# KiCad board MPPT Li-Ion CN3791 charger board_panel.kicad_pcb
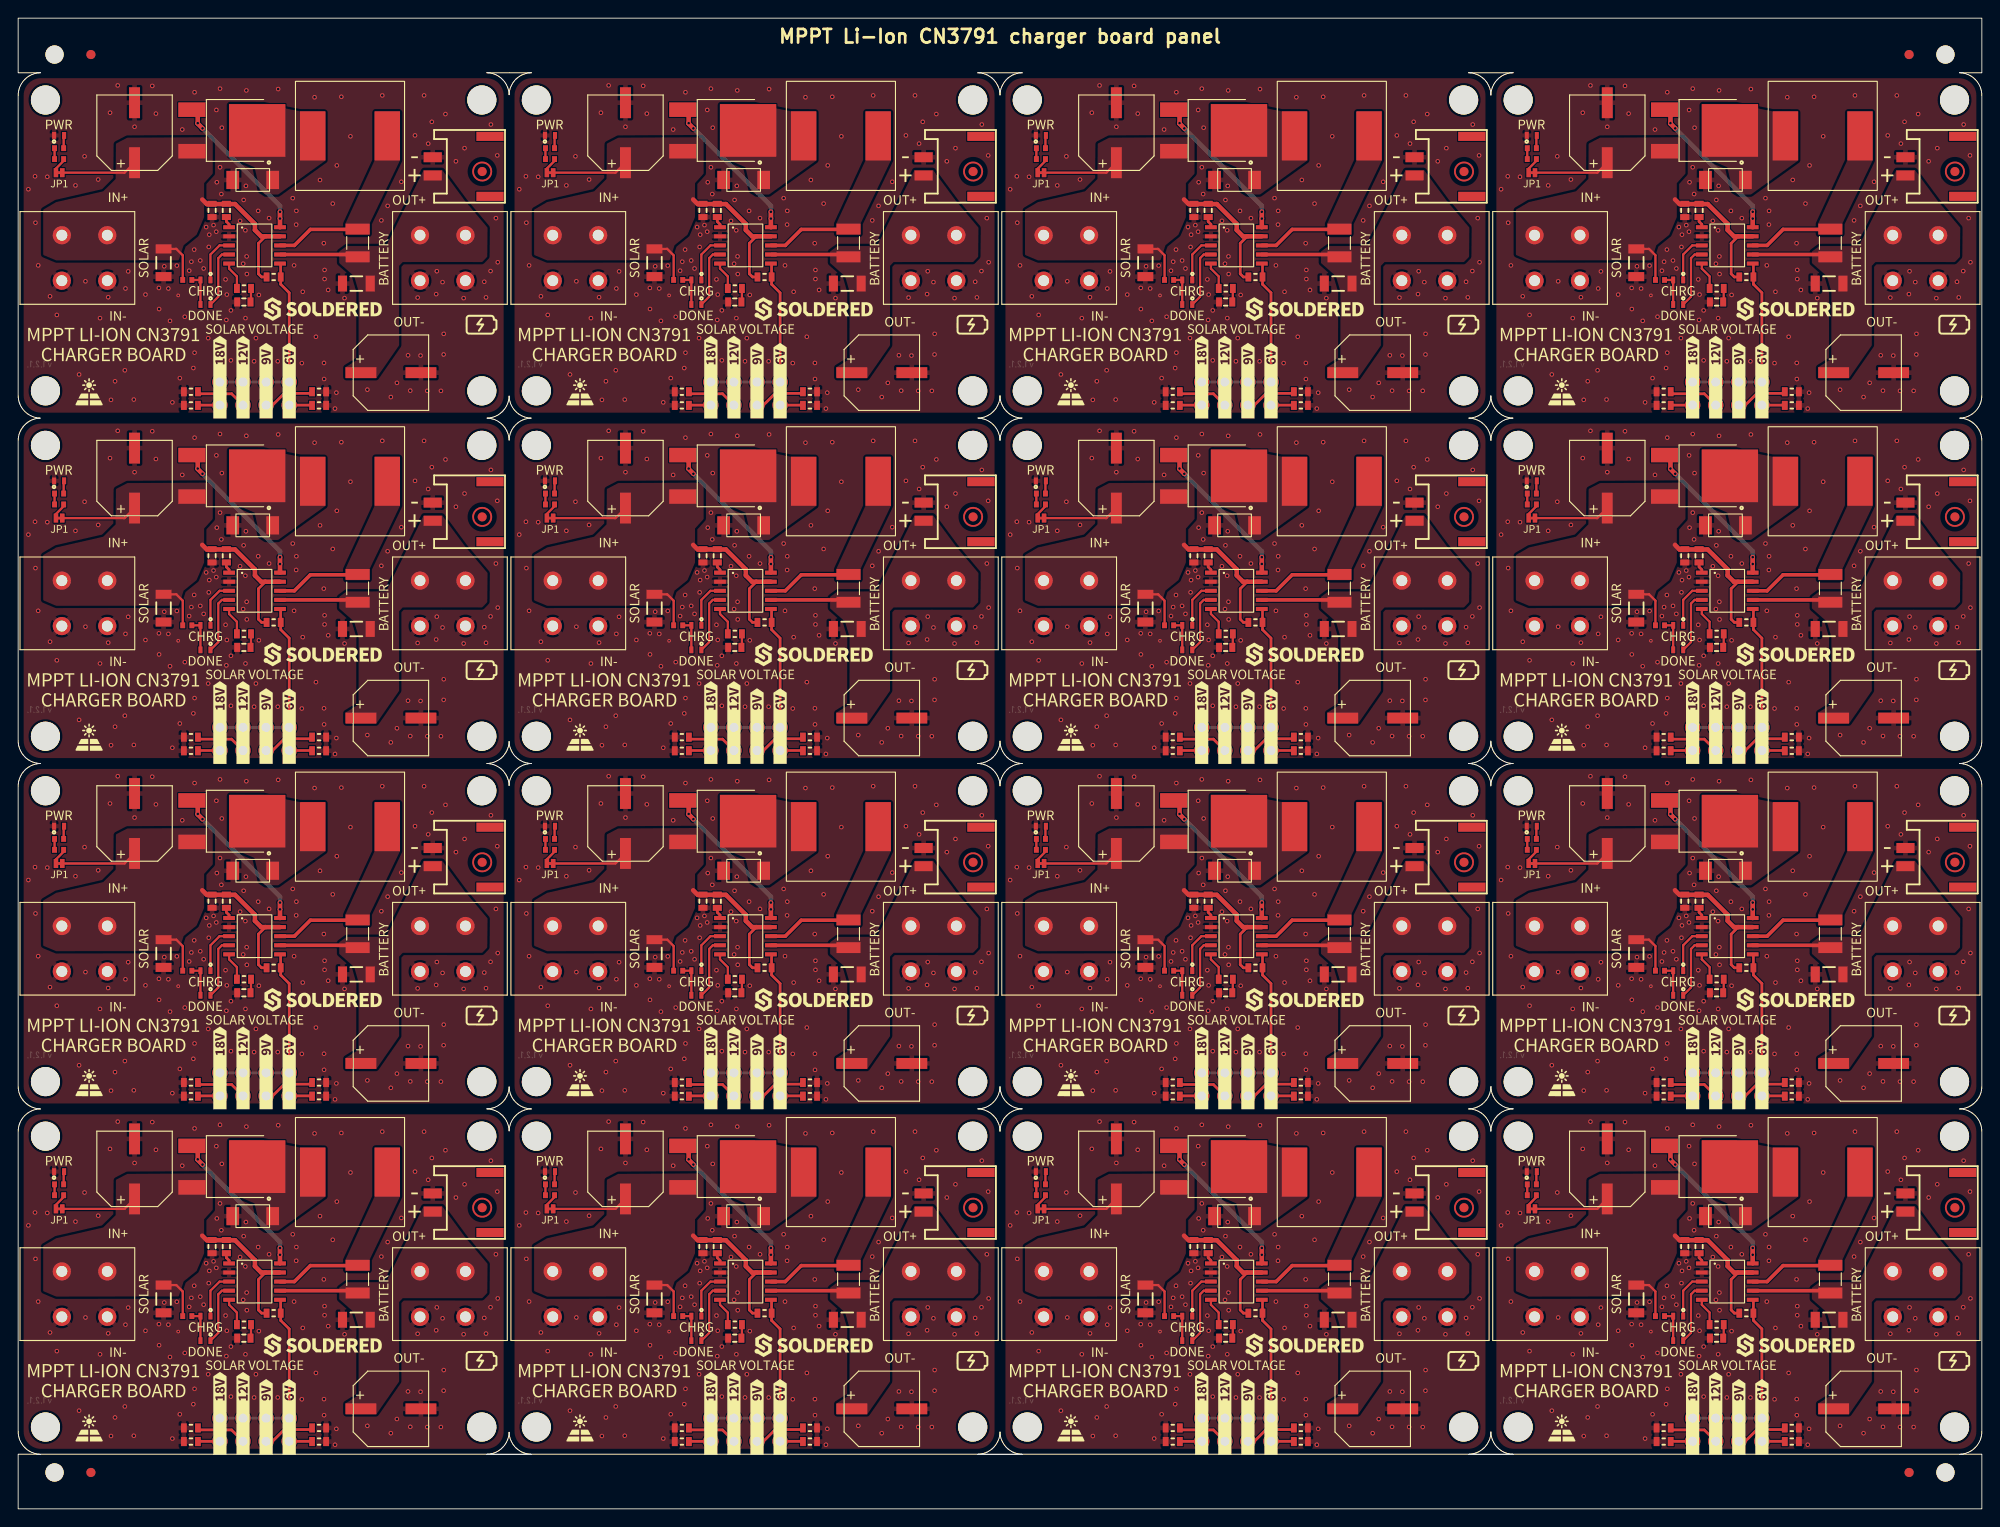
[diagram p0: board, top side]
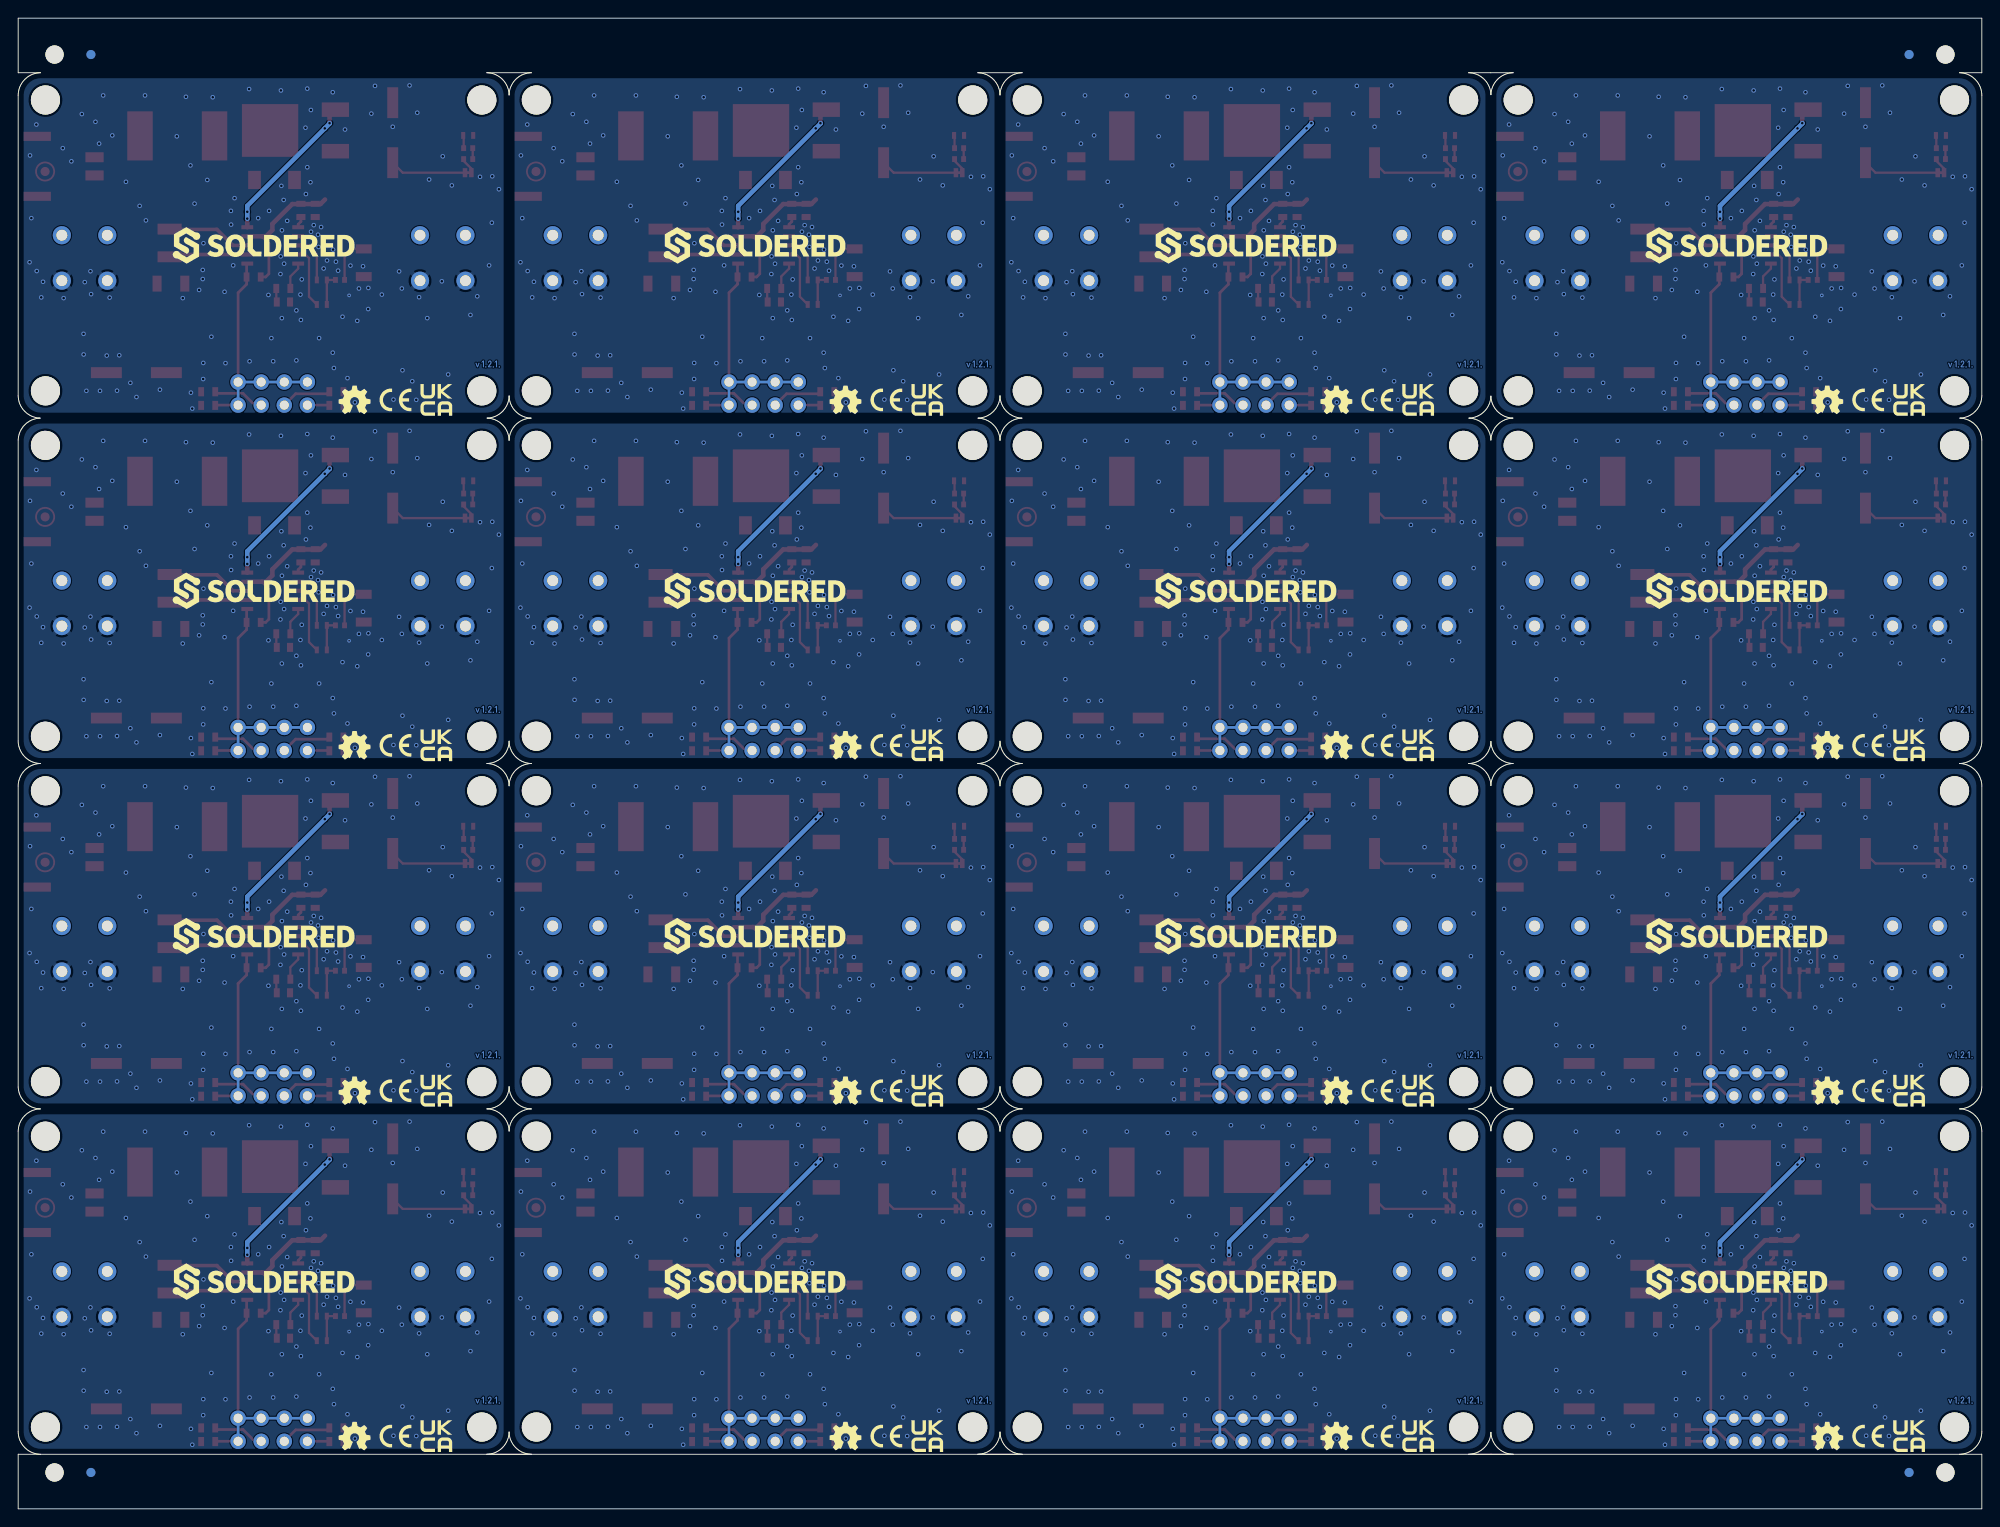
[diagram p1: board, bottom side, seen from below]

Outline 216 x 164 mm; copper layers: Top, Bottom. Coordinates in mm from the lower left corner of the outline.
Stack: Top 0.035mm / dielectric 1.51mm FR4 er 4.5 / Bottom 0.035mm

## Placement (name value [footprint] x y rotation side)
C1  10u  [1206C]  123.99 137.09 90 top
C1#2  10u  [1206C]  15.99 23.09 90 top
C1#3  10u  [1206C]  15.99 61.09 90 top
C1#4  10u  [1206C]  177.99 61.09 90 top
C1#5  10u  [1206C]  177.99 23.09 90 top
C1#6  10u  [1206C]  69.99 23.09 90 top
C1#7  10u  [1206C]  123.99 61.09 90 top
C1#8  10u  [1206C]  69.99 61.09 90 top
C1#9  10u  [1206C]  177.99 99.09 90 top
C1#10  10u  [1206C]  69.99 137.09 90 top
C1#11  10u  [1206C]  177.99 137.09 90 top
C1#12  10u  [1206C]  15.99 137.09 90 top
C1#13  10u  [1206C]  15.99 99.09 90 top
C1#14  10u  [1206C]  123.99 23.09 90 top
C1#15  10u  [1206C]  123.99 99.09 90 top
C1#16  10u  [1206C]  69.99 99.09 90 top
C2  1u  [0603C]  75.33 104.85 90 top
C2#2  1u  [0603C]  129.33 66.85 90 top
C2#3  1u  [0603C]  21.33 142.85 90 top
C2#4  1u  [0603C]  129.33 28.85 90 top
C2#5  1u  [0603C]  75.33 66.85 90 top
C2#6  1u  [0603C]  21.33 28.85 90 top
C2#7  1u  [0603C]  183.33 28.85 90 top
C2#8  1u  [0603C]  129.33 142.85 90 top
C2#9  1u  [0603C]  183.33 142.85 90 top
C2#10  1u  [0603C]  75.33 28.85 90 top
C2#11  1u  [0603C]  183.33 66.85 90 top
C2#12  1u  [0603C]  75.33 142.85 90 top
C2#13  1u  [0603C]  183.33 104.85 90 top
C2#14  1u  [0603C]  21.33 104.85 90 top
C2#15  1u  [0603C]  129.33 104.85 90 top
C2#16  1u  [0603C]  21.33 66.85 90 top
C3  VKMD1451H221MV  [ELECTROLITIC_CAP_8x8x14.5]  12.8 75.4 90 top
C3#2  VKMD1451H221MV  [ELECTROLITIC_CAP_8x8x14.5]  174.8 113.4 90 top
C3#3  VKMD1451H221MV  [ELECTROLITIC_CAP_8x8x14.5]  120.8 113.4 90 top
C3#4  VKMD1451H221MV  [ELECTROLITIC_CAP_8x8x14.5]  12.8 37.4 90 top
C3#5  VKMD1451H221MV  [ELECTROLITIC_CAP_8x8x14.5]  66.8 37.4 90 top
C3#6  VKMD1451H221MV  [ELECTROLITIC_CAP_8x8x14.5]  66.8 75.4 90 top
C3#7  VKMD1451H221MV  [ELECTROLITIC_CAP_8x8x14.5]  174.8 151.4 90 top
C3#8  VKMD1451H221MV  [ELECTROLITIC_CAP_8x8x14.5]  12.8 113.4 90 top
C3#9  VKMD1451H221MV  [ELECTROLITIC_CAP_8x8x14.5]  120.8 37.4 90 top
C3#10  VKMD1451H221MV  [ELECTROLITIC_CAP_8x8x14.5]  174.8 75.4 90 top
C3#11  VKMD1451H221MV  [ELECTROLITIC_CAP_8x8x14.5]  120.8 75.4 90 top
C3#12  VKMD1451H221MV  [ELECTROLITIC_CAP_8x8x14.5]  66.8 151.4 90 top
C3#13  VKMD1451H221MV  [ELECTROLITIC_CAP_8x8x14.5]  66.8 113.4 90 top
C3#14  VKMD1451H221MV  [ELECTROLITIC_CAP_8x8x14.5]  120.8 151.4 90 top
C3#15  VKMD1451H221MV  [ELECTROLITIC_CAP_8x8x14.5]  174.8 37.4 90 top
C3#16  VKMD1451H221MV  [ELECTROLITIC_CAP_8x8x14.5]  12.8 151.4 90 top
C4  100n  [0603C]  184.9 66.85 90 top
C4#2  100n  [0603C]  76.9 66.85 90 top
C4#3  100n  [0603C]  22.9 28.85 90 top
C4#4  100n  [0603C]  130.9 142.85 90 top
C4#5  100n  [0603C]  130.9 66.85 90 top
C4#6  100n  [0603C]  76.9 142.85 90 top
C4#7  100n  [0603C]  184.9 142.85 90 top
C4#8  100n  [0603C]  184.9 28.85 90 top
C4#9  100n  [0603C]  76.9 104.85 90 top
C4#10  100n  [0603C]  22.9 142.85 90 top
C4#11  100n  [0603C]  130.9 104.85 90 top
C4#12  100n  [0603C]  22.9 104.85 90 top
C4#13  100n  [0603C]  22.9 66.85 90 top
C4#14  100n  [0603C]  184.9 104.85 90 top
C4#15  100n  [0603C]  130.9 28.85 90 top
C4#16  100n  [0603C]  76.9 28.85 90 top
C5  220n  [0603C]  78.83 132.78 0 top
C5#2  220n  [0603C]  24.83 56.78 0 top
C5#3  220n  [0603C]  132.83 132.78 0 top
C5#4  220n  [0603C]  132.83 18.78 0 top
C5#5  220n  [0603C]  186.83 132.78 0 top
C5#6  220n  [0603C]  186.83 18.78 0 top
C5#7  220n  [0603C]  186.83 56.78 0 top
C5#8  220n  [0603C]  78.83 18.78 0 top
C5#9  220n  [0603C]  132.83 56.78 0 top
C5#10  220n  [0603C]  24.83 18.78 0 top
C5#11  220n  [0603C]  186.83 94.78 0 top
C5#12  220n  [0603C]  24.83 132.78 0 top
C5#13  220n  [0603C]  78.83 56.78 0 top
C5#14  220n  [0603C]  132.83 94.78 0 top
C5#15  220n  [0603C]  78.83 94.78 0 top
C5#16  220n  [0603C]  24.83 94.78 0 top
C6  10u  [1206C]  37.2 96.8 0 top
C6#2  10u  [1206C]  91.2 134.8 0 top
C6#3  10u  [1206C]  145.2 20.8 0 top
C6#4  10u  [1206C]  199.2 96.8 0 top
C6#5  10u  [1206C]  199.2 134.8 0 top
C6#6  10u  [1206C]  91.2 96.8 0 top
C6#7  10u  [1206C]  199.2 58.8 0 top
C6#8  10u  [1206C]  91.2 20.8 0 top
C6#9  10u  [1206C]  145.2 58.8 0 top
C6#10  10u  [1206C]  91.2 58.8 0 top
C6#11  10u  [1206C]  37.2 134.8 0 top
C6#12  10u  [1206C]  199.2 20.8 0 top
C6#13  10u  [1206C]  145.2 96.8 0 top
C6#14  10u  [1206C]  37.2 58.8 0 top
C6#15  10u  [1206C]  145.2 134.8 0 top
C6#16  10u  [1206C]  37.2 20.8 0 top
C7  VKMD1451H221MV  [ELECTROLITIC_CAP_8x8x14.5]  149 49 0 top
C7#2  VKMD1451H221MV  [ELECTROLITIC_CAP_8x8x14.5]  41 49 0 top
C7#3  VKMD1451H221MV  [ELECTROLITIC_CAP_8x8x14.5]  203 87 0 top
C7#4  VKMD1451H221MV  [ELECTROLITIC_CAP_8x8x14.5]  149 125 0 top
C7#5  VKMD1451H221MV  [ELECTROLITIC_CAP_8x8x14.5]  41 11 0 top
C7#6  VKMD1451H221MV  [ELECTROLITIC_CAP_8x8x14.5]  203 125 0 top
C7#7  VKMD1451H221MV  [ELECTROLITIC_CAP_8x8x14.5]  149 11 0 top
C7#8  VKMD1451H221MV  [ELECTROLITIC_CAP_8x8x14.5]  95 11 0 top
C7#9  VKMD1451H221MV  [ELECTROLITIC_CAP_8x8x14.5]  41 87 0 top
C7#10  VKMD1451H221MV  [ELECTROLITIC_CAP_8x8x14.5]  203 11 0 top
C7#11  VKMD1451H221MV  [ELECTROLITIC_CAP_8x8x14.5]  203 49 0 top
C7#12  VKMD1451H221MV  [ELECTROLITIC_CAP_8x8x14.5]  41 125 0 top
C7#13  VKMD1451H221MV  [ELECTROLITIC_CAP_8x8x14.5]  95 49 0 top
C7#14  VKMD1451H221MV  [ELECTROLITIC_CAP_8x8x14.5]  149 87 0 top
C7#15  VKMD1451H221MV  [ELECTROLITIC_CAP_8x8x14.5]  95 87 0 top
C7#16  VKMD1451H221MV  [ELECTROLITIC_CAP_8x8x14.5]  95 125 0 top
D1  Green  [0402LED]  20.6 56.5 180 top
D1#2  Green  [0402LED]  74.6 132.5 180 top
D1#3  Green  [0402LED]  182.6 56.5 180 top
D1#4  Green  [0402LED]  74.6 94.5 180 top
D1#5  Green  [0402LED]  74.6 56.5 180 top
D1#6  Green  [0402LED]  20.6 94.5 180 top
D1#7  Green  [0402LED]  74.6 18.5 180 top
D1#8  Green  [0402LED]  20.6 132.5 180 top
D1#9  Green  [0402LED]  182.6 18.5 180 top
D1#10  Green  [0402LED]  128.6 94.5 180 top
D1#11  Green  [0402LED]  20.6 18.5 180 top
D1#12  Green  [0402LED]  182.6 132.5 180 top
D1#13  Green  [0402LED]  128.6 18.5 180 top
D1#14  Green  [0402LED]  128.6 56.5 180 top
D1#15  Green  [0402LED]  128.6 132.5 180 top
D1#16  Green  [0402LED]  182.6 94.5 180 top
D2  Red  [0402LED]  128.6 59.2 180 top
D2#2  Red  [0402LED]  182.6 21.2 180 top
D2#3  Red  [0402LED]  128.6 21.2 180 top
D2#4  Red  [0402LED]  74.6 59.2 180 top
D2#5  Red  [0402LED]  74.6 135.2 180 top
D2#6  Red  [0402LED]  182.6 135.2 180 top
D2#7  Red  [0402LED]  128.6 135.2 180 top
D2#8  Red  [0402LED]  20.6 135.2 180 top
D2#9  Red  [0402LED]  182.6 97.2 180 top
D2#10  Red  [0402LED]  182.6 59.2 180 top
D2#11  Red  [0402LED]  20.6 21.2 180 top
D2#12  Red  [0402LED]  20.6 59.2 180 top
D2#13  Red  [0402LED]  74.6 97.2 180 top
D2#14  Red  [0402LED]  74.6 21.2 180 top
D2#15  Red  [0402LED]  20.6 97.2 180 top
D2#16  Red  [0402LED]  128.6 97.2 180 top
D3  AOD4185  [DPAK]  129.9 151.65 180 top
D3#2  AOD4185  [DPAK]  183.9 113.65 180 top
D3#3  AOD4185  [DPAK]  21.9 75.65 180 top
D3#4  AOD4185  [DPAK]  21.9 113.65 180 top
D3#5  AOD4185  [DPAK]  183.9 151.65 180 top
D3#6  AOD4185  [DPAK]  21.9 37.65 180 top
D3#7  AOD4185  [DPAK]  129.9 75.65 180 top
D3#8  AOD4185  [DPAK]  183.9 37.65 180 top
D3#9  AOD4185  [DPAK]  183.9 75.65 180 top
D3#10  AOD4185  [DPAK]  21.9 151.65 180 top
D3#11  AOD4185  [DPAK]  129.9 37.65 180 top
D3#12  AOD4185  [DPAK]  75.9 75.65 180 top
D3#13  AOD4185  [DPAK]  129.9 113.65 180 top
D3#14  AOD4185  [DPAK]  75.9 151.65 180 top
D3#15  AOD4185  [DPAK]  75.9 113.65 180 top
D3#16  AOD4185  [DPAK]  75.9 37.65 180 top
D4  -  [RBR5LAM30ATFTR]  79.8 32.2 0 top
D4#2  -  [RBR5LAM30ATFTR]  187.8 146.2 0 top
D4#3  -  [RBR5LAM30ATFTR]  133.8 108.2 0 top
D4#4  -  [RBR5LAM30ATFTR]  187.8 108.2 0 top
D4#5  -  [RBR5LAM30ATFTR]  133.8 32.2 0 top
D4#6  -  [RBR5LAM30ATFTR]  187.8 70.2 0 top
D4#7  -  [RBR5LAM30ATFTR]  133.8 146.2 0 top
D4#8  -  [RBR5LAM30ATFTR]  79.8 108.2 0 top
D4#9  -  [RBR5LAM30ATFTR]  79.8 70.2 0 top
D4#10  -  [RBR5LAM30ATFTR]  79.8 146.2 0 top
D4#11  -  [RBR5LAM30ATFTR]  133.8 70.2 0 top
D4#12  -  [RBR5LAM30ATFTR]  25.8 108.2 0 top
D4#13  -  [RBR5LAM30ATFTR]  25.8 146.2 0 top
D4#14  -  [RBR5LAM30ATFTR]  25.8 70.2 0 top
D4#15  -  [RBR5LAM30ATFTR]  25.8 32.2 0 top
D4#16  -  [RBR5LAM30ATFTR]  187.8 32.2 0 top
D5  purple  [0402LED]  4.5 113.1 0 top
D5#2  purple  [0402LED]  112.5 75.1 0 top
D5#3  purple  [0402LED]  166.5 113.1 0 top
D5#4  purple  [0402LED]  166.5 75.1 0 top
D5#5  purple  [0402LED]  4.5 37.1 0 top
D5#6  purple  [0402LED]  4.5 75.1 0 top
D5#7  purple  [0402LED]  58.5 75.1 0 top
D5#8  purple  [0402LED]  112.5 37.1 0 top
D5#9  purple  [0402LED]  166.5 37.1 0 top
D5#10  purple  [0402LED]  58.5 113.1 0 top
D5#11  purple  [0402LED]  58.5 151.1 0 top
D5#12  purple  [0402LED]  112.5 151.1 0 top
D5#13  purple  [0402LED]  58.5 37.1 0 top
D5#14  purple  [0402LED]  4.5 151.1 0 top
D5#15  purple  [0402LED]  166.5 151.1 0 top
D5#16  purple  [0402LED]  112.5 113.1 0 top
FD1  FIDUCIAL  [FIDUCIAL_23]  213.04 109.13 0 top
FD1#2  FIDUCIAL  [FIDUCIAL_23]  159.04 71.13 0 top
FD1#3  FIDUCIAL  [FIDUCIAL_23]  213.04 33.13 0 top
FD1#4  FIDUCIAL  [FIDUCIAL_23]  159.04 109.13 0 top
FD1#5  FIDUCIAL  [FIDUCIAL_23]  159.04 33.13 0 top
FD1#6  FIDUCIAL  [FIDUCIAL_23]  105.04 71.13 0 top
FD1#7  FIDUCIAL  [FIDUCIAL_23]  105.04 109.13 0 top
FD1#8  FIDUCIAL  [FIDUCIAL_23]  51.04 147.13 0 top
FD1#9  FIDUCIAL  [FIDUCIAL_23]  51.04 109.13 0 top
FD1#10  FIDUCIAL  [FIDUCIAL_23]  159.04 147.13 0 top
FD1#11  FIDUCIAL  [FIDUCIAL_23]  51.04 71.13 0 top
FD1#12  FIDUCIAL  [FIDUCIAL_23]  51.04 33.13 0 top
FD1#13  FIDUCIAL  [FIDUCIAL_23]  213.04 147.13 0 top
FD1#14  FIDUCIAL  [FIDUCIAL_23]  105.04 147.13 0 top
FD1#15  FIDUCIAL  [FIDUCIAL_23]  213.04 71.13 0 top
FD1#16  FIDUCIAL  [FIDUCIAL_23]  105.04 33.13 0 top
G***  LOGO  [Logo-Back-OSH-3.5mm]  17 122 0 top
G***#2  LOGO  [Symbol-Front-Solar]  115.8 122.9 0 top
G***#3  LOGO  [Symbol-Front-Battery]  212.97 16.2 0 top
G***#4  LOGO  [Symbol-Front-Battery]  212.97 130.2 0 top
G***#5  LOGO  [Symbol-Front-Solar]  61.8 84.9 0 top
G***#6  LOGO  [Symbol-Front-Solar]  7.8 84.9 0 top
G***#7  LOGO  [Symbol-Front-Battery]  104.97 130.2 0 top
G***#8  LOGO  [Logo-Back-OSH-3.5mm]  179 46 0 top
G***#9  LOGO  [Symbol-Front-Battery]  158.97 16.2 0 top
G***#10  LOGO  [Symbol-Front-Solar]  61.8 122.9 0 top
G***#11  LOGO  [Symbol-Front-Battery]  158.97 92.2 0 top
G***#12  LOGO  [Logo-Back-OSH-3.5mm]  17 84 0 top
G***#13  LOGO  [Logo-Back-OSH-3.5mm]  71 122 0 top
G***#14  LOGO  [Logo-Back-OSH-3.5mm]  125 46 0 top
G***#15  LOGO  [Symbol-Front-Battery]  50.97 92.2 0 top
G***#16  LOGO  [Symbol-Front-Battery]  158.97 54.2 0 top
G***#17  LOGO  [Logo-Back-OSH-3.5mm]  179 122 0 top
G***#18  LOGO  [Logo-Back-OSH-3.5mm]  17 8 0 top
G***#19  LOGO  [Logo-Back-OSH-3.5mm]  179 8 0 top
G***#20  LOGO  [Logo-Back-OSH-3.5mm]  125 122 0 top
G***#21  LOGO  [Symbol-Front-Battery]  212.97 54.2 0 top
G***#22  LOGO  [Symbol-Front-Solar]  169.8 122.9 0 top
G***#23  LOGO  [Symbol-Front-Battery]  212.97 92.2 0 top
G***#24  LOGO  [Logo-Back-OSH-3.5mm]  71 46 0 top
G***#25  LOGO  [Logo-Back-OSH-3.5mm]  125 8 0 top
G***#26  LOGO  [Symbol-Front-Battery]  50.97 54.2 0 top
G***#27  LOGO  [Symbol-Front-Solar]  115.8 46.9 0 top
G***#28  LOGO  [Symbol-Front-Solar]  7.8 46.9 0 top
G***#29  LOGO  [Logo-Back-OSH-3.5mm]  71 8 0 top
G***#30  LOGO  [Symbol-Front-Solar]  61.8 46.9 0 top
G***#31  LOGO  [Symbol-Front-Solar]  61.8 8.9 0 top
G***#32  LOGO  [Symbol-Front-Solar]  7.8 122.9 0 top
G***#33  LOGO  [Symbol-Front-Solar]  7.8 8.9 0 top
G***#34  LOGO  [Symbol-Front-Battery]  50.97 16.2 0 top
G***#35  LOGO  [Logo-Back-OSH-3.5mm]  17 46 0 top
G***#36  LOGO  [Symbol-Front-Solar]  169.8 8.9 0 top
G***#37  LOGO  [Logo-Back-OSH-3.5mm]  125 84 0 top
G***#38  LOGO  [Logo-Back-OSH-3.5mm]  71 84 0 top
G***#39  LOGO  [Symbol-Front-Solar]  169.8 46.9 0 top
G***#40  LOGO  [Symbol-Front-Solar]  115.8 8.9 0 top
G***#41  LOGO  [Symbol-Front-Battery]  104.97 16.2 0 top
G***#42  LOGO  [Symbol-Front-Solar]  169.8 84.9 0 top
G***#43  LOGO  [Symbol-Front-Battery]  158.97 130.2 0 top
G***#44  LOGO  [Symbol-Front-Solar]  115.8 84.9 0 top
G***#45  LOGO  [Logo-Back-OSH-3.5mm]  179 84 0 top
G***#46  LOGO  [Symbol-Front-Battery]  104.97 92.2 0 top
G***#47  LOGO  [Symbol-Front-Battery]  104.97 54.2 0 top
G***#48  LOGO  [Symbol-Front-Battery]  50.97 130.2 0 top
H1  -  [HOLE_3.2mm]  165 41 0 top
H1#2  -  [HOLE_3.2mm]  165 155 0 top
H1#3  -  [HOLE_3.2mm]  57 117 0 top
H1#4  -  [HOLE_3.2mm]  3 41 0 top
H1#5  -  [HOLE_3.2mm]  111 117 0 top
H1#6  -  [HOLE_3.2mm]  57 155 0 top
H1#7  -  [HOLE_3.2mm]  111 155 0 top
H1#8  -  [HOLE_3.2mm]  3 155 0 top
H1#9  -  [HOLE_3.2mm]  57 79 0 top
H1#10  -  [HOLE_3.2mm]  111 79 0 top
H1#11  -  [HOLE_3.2mm]  111 41 0 top
H1#12  -  [HOLE_3.2mm]  165 117 0 top
H1#13  -  [HOLE_3.2mm]  165 79 0 top
H1#14  -  [HOLE_3.2mm]  57 41 0 top
H1#15  -  [HOLE_3.2mm]  3 117 0 top
H1#16  -  [HOLE_3.2mm]  3 79 0 top
H2  -  [HOLE_3.2mm]  105 85 0 top
H2#2  -  [HOLE_3.2mm]  105 123 0 top
H2#3  -  [HOLE_3.2mm]  159 123 0 top
H2#4  -  [HOLE_3.2mm]  213 47 0 top
H2#5  -  [HOLE_3.2mm]  213 123 0 top
H2#6  -  [HOLE_3.2mm]  159 9 0 top
H2#7  -  [HOLE_3.2mm]  159 85 0 top
H2#8  -  [HOLE_3.2mm]  51 85 0 top
H2#9  -  [HOLE_3.2mm]  159 47 0 top
H2#10  -  [HOLE_3.2mm]  213 85 0 top
H2#11  -  [HOLE_3.2mm]  105 9 0 top
H2#12  -  [HOLE_3.2mm]  51 9 0 top
H2#13  -  [HOLE_3.2mm]  213 9 0 top
H2#14  -  [HOLE_3.2mm]  105 47 0 top
H2#15  -  [HOLE_3.2mm]  51 47 0 top
H2#16  -  [HOLE_3.2mm]  51 123 0 top
H3  -  [HOLE_3.2mm]  165 9 0 top
H3#2  -  [HOLE_3.2mm]  165 85 0 top
H3#3  -  [HOLE_3.2mm]  165 47 0 top
H3#4  -  [HOLE_3.2mm]  3 47 0 top
H3#5  -  [HOLE_3.2mm]  3 85 0 top
H3#6  -  [HOLE_3.2mm]  111 85 0 top
H3#7  -  [HOLE_3.2mm]  57 123 0 top
H3#8  -  [HOLE_3.2mm]  111 123 0 top
H3#9  -  [HOLE_3.2mm]  3 123 0 top
H3#10  -  [HOLE_3.2mm]  57 85 0 top
H3#11  -  [HOLE_3.2mm]  57 47 0 top
H3#12  -  [HOLE_3.2mm]  111 9 0 top
H3#13  -  [HOLE_3.2mm]  57 9 0 top
H3#14  -  [HOLE_3.2mm]  165 123 0 top
H3#15  -  [HOLE_3.2mm]  111 47 0 top
H3#16  -  [HOLE_3.2mm]  3 9 0 top
H4  -  [HOLE_3.2mm]  159 79 0 top
H4#2  -  [HOLE_3.2mm]  51 117 0 top
H4#3  -  [HOLE_3.2mm]  105 79 0 top
H4#4  -  [HOLE_3.2mm]  213 117 0 top
H4#5  -  [HOLE_3.2mm]  51 41 0 top
H4#6  -  [HOLE_3.2mm]  213 79 0 top
H4#7  -  [HOLE_3.2mm]  213 155 0 top
H4#8  -  [HOLE_3.2mm]  213 41 0 top
H4#9  -  [HOLE_3.2mm]  105 155 0 top
H4#10  -  [HOLE_3.2mm]  51 155 0 top
H4#11  -  [HOLE_3.2mm]  159 155 0 top
H4#12  -  [HOLE_3.2mm]  159 41 0 top
H4#13  -  [HOLE_3.2mm]  159 117 0 top
H4#14  -  [HOLE_3.2mm]  51 79 0 top
H4#15  -  [HOLE_3.2mm]  105 41 0 top
H4#16  -  [HOLE_3.2mm]  105 117 0 top
JP1  -  [SMD-JUMPER-CONNECTED_TRACE_SLODERMASK]  166.5 109 180 top
JP1#2  -  [SMD-JUMPER-CONNECTED_TRACE_SLODERMASK]  112.5 109 180 top
JP1#3  -  [SMD-JUMPER-CONNECTED_TRACE_SLODERMASK]  166.5 33 180 top
JP1#4  -  [SMD-JUMPER-CONNECTED_TRACE_SLODERMASK]  58.5 147 180 top
JP1#5  -  [SMD-JUMPER-CONNECTED_TRACE_SLODERMASK]  58.5 71 180 top
JP1#6  -  [SMD-JUMPER-CONNECTED_TRACE_SLODERMASK]  112.5 71 180 top
JP1#7  -  [SMD-JUMPER-CONNECTED_TRACE_SLODERMASK]  4.5 147 180 top
JP1#8  -  [SMD-JUMPER-CONNECTED_TRACE_SLODERMASK]  166.5 71 180 top
JP1#9  -  [SMD-JUMPER-CONNECTED_TRACE_SLODERMASK]  112.5 33 180 top
JP1#10  -  [SMD-JUMPER-CONNECTED_TRACE_SLODERMASK]  166.5 147 180 top
JP1#11  -  [SMD-JUMPER-CONNECTED_TRACE_SLODERMASK]  112.5 147 180 top
JP1#12  -  [SMD-JUMPER-CONNECTED_TRACE_SLODERMASK]  58.5 33 180 top
JP1#13  -  [SMD-JUMPER-CONNECTED_TRACE_SLODERMASK]  4.5 71 180 top
JP1#14  -  [SMD-JUMPER-CONNECTED_TRACE_SLODERMASK]  58.5 109 180 top
JP1#15  -  [SMD-JUMPER-CONNECTED_TRACE_SLODERMASK]  4.5 33 180 top
JP1#16  -  [SMD-JUMPER-CONNECTED_TRACE_SLODERMASK]  4.5 109 180 top
K1  -  [TERMINAL_KF235-5.0-2P]  169.3 99.62 270 top
K1#2  -  [TERMINAL_KF235-5.0-2P]  115.3 137.62 270 top
K1#3  -  [TERMINAL_KF235-5.0-2P]  61.3 23.62 270 top
K1#4  -  [TERMINAL_KF235-5.0-2P]  7.3 137.62 270 top
K1#5  -  [TERMINAL_KF235-5.0-2P]  115.3 23.62 270 top
K1#6  -  [TERMINAL_KF235-5.0-2P]  7.3 23.62 270 top
K1#7  -  [TERMINAL_KF235-5.0-2P]  169.3 61.62 270 top
K1#8  -  [TERMINAL_KF235-5.0-2P]  115.3 61.62 270 top
K1#9  -  [TERMINAL_KF235-5.0-2P]  115.3 99.62 270 top
K1#10  -  [TERMINAL_KF235-5.0-2P]  61.3 137.62 270 top
K1#11  -  [TERMINAL_KF235-5.0-2P]  7.3 61.62 270 top
K1#12  -  [TERMINAL_KF235-5.0-2P]  61.3 99.62 270 top
K1#13  -  [TERMINAL_KF235-5.0-2P]  169.3 23.62 270 top
K1#14  -  [TERMINAL_KF235-5.0-2P]  61.3 61.62 270 top
K1#15  -  [TERMINAL_KF235-5.0-2P]  7.3 99.62 270 top
K1#16  -  [TERMINAL_KF235-5.0-2P]  169.3 137.62 270 top
K2  -  [HEADER_FEMALE_4X2]  134 46.7 90 top
K2#2  -  [HEADER_FEMALE_4X2]  188 46.7 90 top
K2#3  -  [HEADER_FEMALE_4X2]  134 122.7 90 top
K2#4  -  [HEADER_FEMALE_4X2]  26 8.7 90 top
K2#5  -  [HEADER_FEMALE_4X2]  188 84.7 90 top
K2#6  -  [HEADER_FEMALE_4X2]  80 46.7 90 top
K2#7  -  [HEADER_FEMALE_4X2]  80 84.7 90 top
K2#8  -  [HEADER_FEMALE_4X2]  26 46.7 90 top
K2#9  -  [HEADER_FEMALE_4X2]  80 8.7 90 top
K2#10  -  [HEADER_FEMALE_4X2]  188 8.7 90 top
K2#11  -  [HEADER_FEMALE_4X2]  26 122.7 90 top
K2#12  -  [HEADER_FEMALE_4X2]  26 84.7 90 top
K2#13  -  [HEADER_FEMALE_4X2]  134 8.7 90 top
K2#14  -  [HEADER_FEMALE_4X2]  80 122.7 90 top
K2#15  -  [HEADER_FEMALE_4X2]  134 84.7 90 top
K2#16  -  [HEADER_FEMALE_4X2]  188 122.7 90 top
K3  -  [JST-2pin-SMD]  102.75 147.7 270 top
K3#2  -  [JST-2pin-SMD]  48.75 109.7 270 top
K3#3  -  [JST-2pin-SMD]  48.75 71.7 270 top
K3#4  -  [JST-2pin-SMD]  210.75 33.7 270 top
K3#5  -  [JST-2pin-SMD]  156.75 33.7 270 top
K3#6  -  [JST-2pin-SMD]  102.75 71.7 270 top
K3#7  -  [JST-2pin-SMD]  210.75 71.7 270 top
K3#8  -  [JST-2pin-SMD]  156.75 71.7 270 top
K3#9  -  [JST-2pin-SMD]  156.75 109.7 270 top
K3#10  -  [JST-2pin-SMD]  102.75 109.7 270 top
K3#11  -  [JST-2pin-SMD]  48.75 33.7 270 top
K3#12  -  [JST-2pin-SMD]  102.75 33.7 270 top
K3#13  -  [JST-2pin-SMD]  48.75 147.7 270 top
K3#14  -  [JST-2pin-SMD]  210.75 109.7 270 top
K3#15  -  [JST-2pin-SMD]  210.75 147.7 270 top
K3#16  -  [JST-2pin-SMD]  156.75 147.7 270 top
K6  -  [TERMINAL_KF235-5.0-2P]  46.7 23.62 90 top
K6#2  -  [TERMINAL_KF235-5.0-2P]  100.7 137.62 90 top
K6#3  -  [TERMINAL_KF235-5.0-2P]  100.7 99.62 90 top
K6#4  -  [TERMINAL_KF235-5.0-2P]  46.7 61.62 90 top
K6#5  -  [TERMINAL_KF235-5.0-2P]  154.7 137.62 90 top
K6#6  -  [TERMINAL_KF235-5.0-2P]  208.7 23.62 90 top
K6#7  -  [TERMINAL_KF235-5.0-2P]  46.7 137.62 90 top
K6#8  -  [TERMINAL_KF235-5.0-2P]  100.7 23.62 90 top
K6#9  -  [TERMINAL_KF235-5.0-2P]  208.7 99.62 90 top
K6#10  -  [TERMINAL_KF235-5.0-2P]  154.7 61.62 90 top
K6#11  -  [TERMINAL_KF235-5.0-2P]  100.7 61.62 90 top
K6#12  -  [TERMINAL_KF235-5.0-2P]  154.7 23.62 90 top
K6#13  -  [TERMINAL_KF235-5.0-2P]  208.7 137.62 90 top
K6#14  -  [TERMINAL_KF235-5.0-2P]  154.7 99.62 90 top
K6#15  -  [TERMINAL_KF235-5.0-2P]  46.7 99.62 90 top
K6#16  -  [TERMINAL_KF235-5.0-2P]  208.7 61.62 90 top
kibuzzard-63FDC4D6  G***  [kibuzzard-63FDC4D6]  119 106.3 0 top
kibuzzard-63FDC4D6#2  G***  [kibuzzard-63FDC4D6]  119 68.3 0 top
kibuzzard-63FDC4D6#3  G***  [kibuzzard-63FDC4D6]  65 106.3 0 top